# Altium PCB RK_NVR_DEMO1_RK3588_LP4XD200P232SD8_V21_20211228_final_lint.PcbDoc (part 5 of 29) (continued)
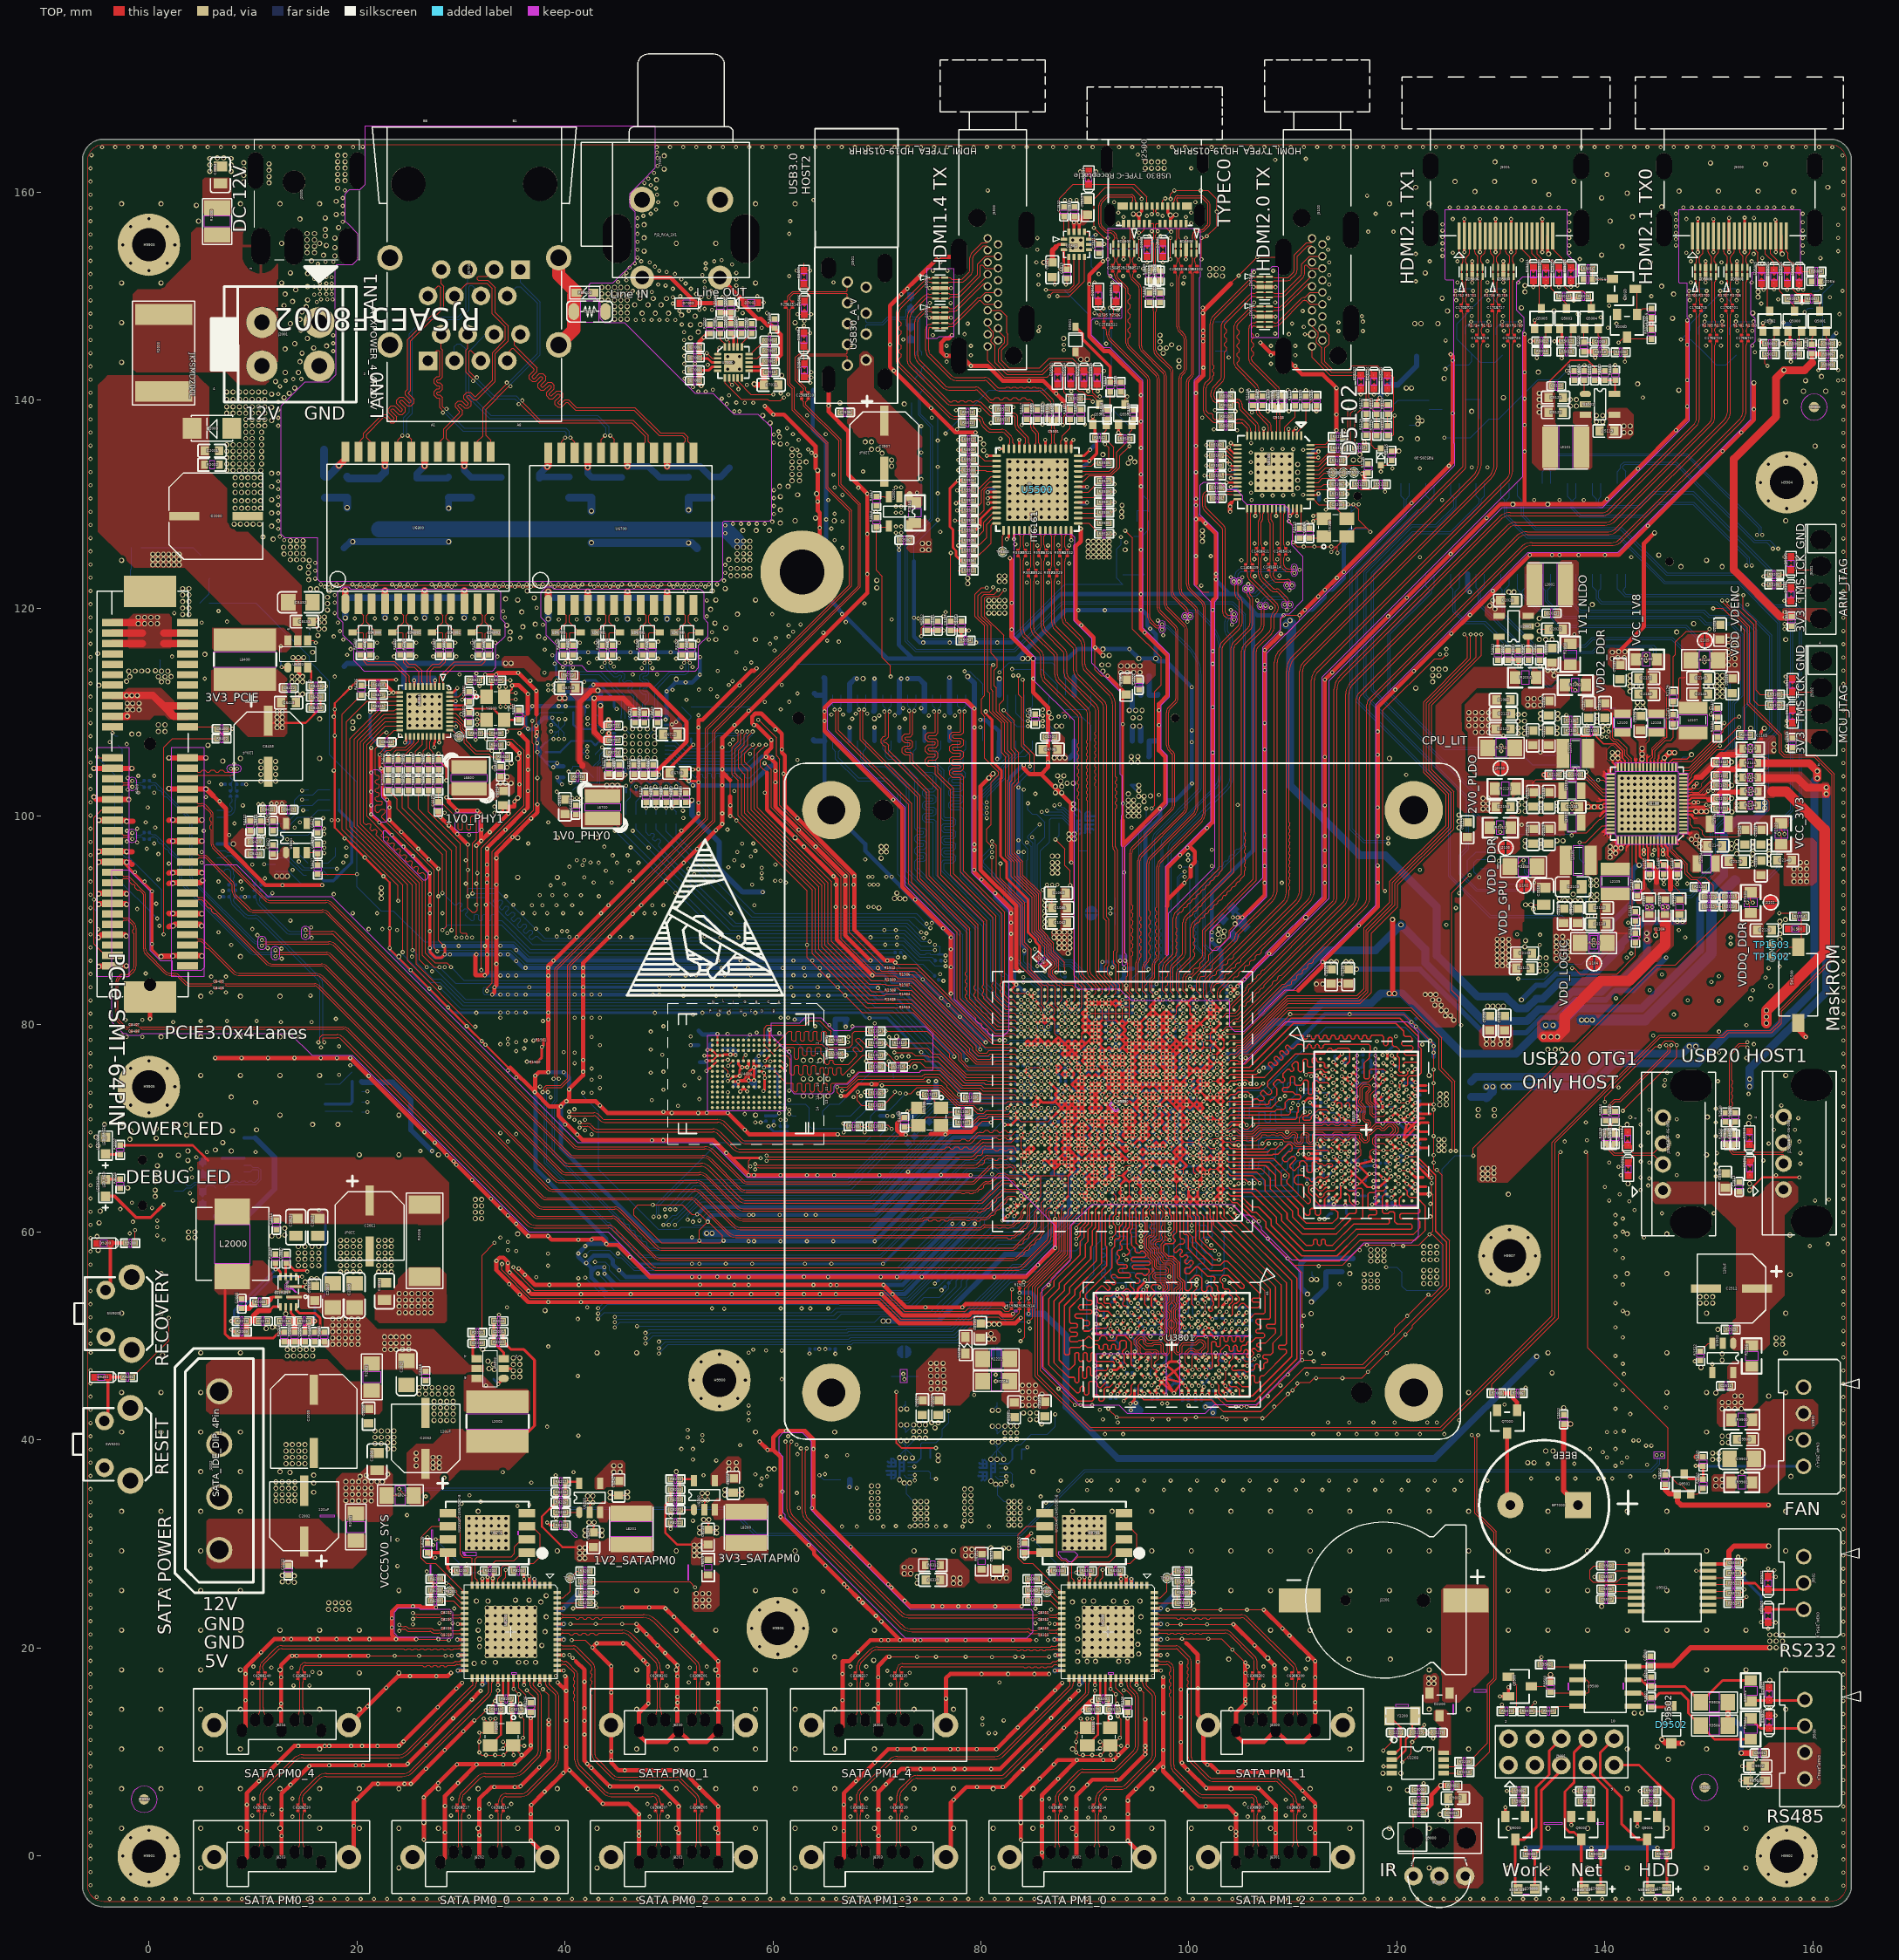
[diagram p0: TOP view]
## Footprints (in the part's own frame and the unit in brackets; to place one, negate y for a bottom-side part, rotate by r counter-clockwise, add the part's x,y. Pads: shape width x height; smd on the part's side, far side on the other; paste and mask are expansions set on the pad) (continued)
  round 2.5 hole 1.5: 3(-3.5,1.237) 4(3.5,1.237)
  silkscreen extent -3.5,-4.26 3.5,3.24, body extent -3.6,-3.34 3.6,3.34, height 3.81
TP_0R70 [mm] "TP_0R70"
  round 0.7 smd: 1(0,0)
  silkscreen extent -0.45,-0.45 0.45,0.45, body extent -0.4,-0.4 0.4,0.4, height 3.81
TSSOP8_3R10X3R10X1R10 [mm] "TSSOP8_3R10X3R10X1R10"
  oval 1x0.45 smd: 1(-2.5,0.975)
  rect 1x0.45 smd: 2(-2.5,0.325) 3(-2.5,-0.325) 4(-2.5,-0.975) 5(2.5,-0.975) 6(2.5,-0.325) 7(2.5,0.325) 8(2.5,0.975)
  silkscreen extent -2.54,-1.55 1.55,2.5
TSSOP20_6R50X4R40X1R20 [mm] "TSSOP20_6R50X4R40X1R20"
  rect 1.55x0.3 smd: 1(-2.8,2.923) 2(-2.8,2.273) 3(-2.8,1.623) 4(-2.8,0.973) 5(-2.8,0.323) 6(-2.8,-0.327) 7(-2.8,-0.977) 8(-2.8,-1.627) 9(-2.8,-2.277) 10(-2.8,-2.927) 11(2.8,-2.927) 12(2.8,-2.277) 13(2.8,-1.627) 14(2.8,-0.977) 15(2.8,-0.327) 16(2.8,0.323) 17(2.8,0.973) 18(2.8,1.623) 19(2.8,2.273) 20(2.8,2.923)
  silkscreen extent -4.48,-3.48 2.2,3.47, body extent -3.56,-3.43 3.56,3.43, height 3.81
TYPEC30_24P_SD-2012670005 [mm] "TYPEC30_24P_SD-2012670005"
  rect 0.3x0.7 smd: A1(-3,3.934) A2(-2.5,3.934) A3(-2,3.934) A4(-1.5,3.934) A5(-1,3.934) A6(-0.5,3.934) A7(0.5,3.934) A8(1,3.934) A9(1.5,3.934) A10(2,3.934) A11(2.5,3.934) A12(3,3.934) B2(2.25,2.234) B3(1.75,2.234) B4(1.25,2.234) B5(0.75,2.234) B6(0.25,2.234) B7(-0.25,2.234) B8(-0.75,2.234) B9(-1.25,2.234) B10(-1.75,2.234) B11(-2.25,2.234)
  rect 1x0.7 smd: B1(3.1,2.234) B12(-3.1,2.234)
  oval 1x2.1 hole 1 slot 2.1 at 90 deg: H1(-4.32,3.124) H2(4.32,3.124)
  oval 1.1x2.6 hole 1.1 slot 2.6 at 90 deg: H3(-4.62,-2.235) H4(4.62,-2.235)
  silkscreen extent -6.5,-9.19 6.5,5.05
USB20A4_UA04-DHF-PW137 [mm] "USB20A4_UA04-DHF-PW137"
  round 1.6 hole 0.92: 1(-3.5,1.61) 2(-1,1.61) 3(1,1.61) 4(3.5,1.61)
  oval 3x4 hole 3 slot 4 at 90 deg: 5(6.57,-1.1) 6(-6.57,-1.1)
  silkscreen extent -7.85,-3.45 7.85,4.54
USB20MIN5_USB_M5_03_002 [mil] "USB20MIN5_USB_M5_03_002"
  rect 90x20 smd: 1(112.35,62.99) 2(112.35,31.5) 3(112.35,0) 4(112.35,-31.5) 5(112.35,-62.99)
  rect 86.61x86.61 smd: 6(102.51,161.42) 7(102.51,-161.42) 8(-114.03,161.42) 9(-114.03,-161.42)
  round 35.43 hole 35.43 unplated: ""(-7.92,-86.61) ""(-7.92,86.62)
  silkscreen extent -232,-157 166,157, body extent -157,-205 157,205, height 150
USB30A9_25R70X7R32X13R85 [mm] "USB30A9_25R70X7R32X13R85"
  round 1.1 hole 0.7: 1(-3.5,-0.9) 2(-1,-0.9) 3(1,-0.9) 4(3.5,-0.9) 5(4,0.9) 6(2,0.9) 7(0,0.9) 8(-2,0.9) 9(-4,0.9)
  oval 2.5x1.2 hole 1.2 slot 2.5 at 0 deg: 10(-5.35,2.71)
  oval 2x1.4 hole 1.4 slot 2 at 0 deg: 11(-5.35,-2.71) 13(5.35,2.71)
  oval 2.7x1.4 hole 1.4 slot 2.7 at 0 deg: 12(5.35,-2.71)
  silkscreen extent -7.65,-3.96 18.75,4.04
WLCSP20_1R65X2R05X0R63 [mil] "WLCSP20_1R65X2R05X0R63"
  round 9.45 smd: A1(23.62,-31.5) A2(7.87,-31.5) A3(-7.87,-31.5) A4(-23.62,-31.5) B1(23.62,-15.75) B2(7.87,-15.75) B3(-7.87,-15.75) B4(-23.62,-15.75) C1(23.62,0) C2(7.87,0) C3(-7.87,0) C4(-23.62,0) D1(23.62,15.75) D2(7.87,15.75) D3(-7.87,15.75) D4(-23.62,15.75) E1(23.62,31.5) E2(7.87,31.5) E3(-7.87,31.5) E4(-23.62,31.5)
  TOP keep-out region: 35,-42.32 35,42.32 -35,42.32 -35,-42.32
  silkscreen extent -52,-61 53,60
WSON8_8R00X6R00X0R80_T [mil] "WSON8_8R00X6R00X0R80_T"
  rect 31.5x62.99 smd: 1(-75,-149.61) 2(-25,-149.61) 3(25,-149.61) 4(75,-149.61) 5(75,149.61) 6(25,149.61) 7(-25,149.61) 8(-75,149.61)
  rect 133.86x169.29 smd: 9(0,0)
  silkscreen extent -118,-220 118,157, body extent -122,-161 122,161, height 150

## Part data
BP7000: library part BEEP_0, "ОЮФґ·дГщЖч,3V,Ц±Іе2P,6.5MMјдѕа,"
C1000 C1003 C1018 C1019 C1032 C1033 C1034 C1035 C1045 C1046 C1060 C1061 C1062 C1063 C1064 C1080 C1081 C1082 C1085 C1086 C2022 C2100 C2102 C2106 C2111 C2115 C2116 C2120 C2121 C2122 C2123 C2128 C2129 C2133 C2134 C2135 C2136 C2141 C2144 C2145 C2146 C2150 C2152 C2173 C2205 C2206 C2207 C2208 C2209 C2211 C2212 C2213 C2214 C2215 C2223 C2224 C2225 C2230 C3809 C3824 C3854 C3869 C5121 C5521 C8226 C8244 C8324 C8339 C8411 C8413: library part "CAP NP", "cap,22.00uF,+/-20%,6.3V,X5R,C0603"
C1001 C1002 C1010 C1022 C1024 C1025 C1040 C1041 C1049 C1050 C1054 C1069 C1070 C1073 C1083 C1100 C1104 C1106 C1107 C1109 C1110 C1112 C1113 C1203 C1204 C1205 C1210 C1211 C1212 C1223 C1225 C1229 C1231 C1301 C1302 C1404 C1406 C1408 C1409 C1410 C1411 C1412 C1413 C1414 C1415 C1416 C1418 C1419 C1421 C1422 C1503 C1504 C1505 C1506 C1601 C1603 C1606 C1608 C1610 C1714 C1724 C1730 C1808 C1810 C1814 C1901 C1902 C1903 C1905 C2501 C2502 C2509 C2510 C2522 C2523 C2524 C2525 C3802 C3803 C3804 C3805 C3806 C3807 C3808 C3814 C3815 C3816 C3817 C3818 C3819 C3820 C3821 C3822 C3823 C3829 C3830 C3831 C3832 C3833 C3834 C3835 C3836 C3837 C3838 C3839 C3840 C3841 C3842 C3847 C3848 C3849 C3850 C3851 C3852 C3853 C3859 C3860 C3861 C3862 C3863 C3864 C3865 C3866 C3867 C3868 C3874 C3875 C3876 C3877 C3878 C3879 C3880 C3881 C3882 C3883 C3884 C3885 C3886 C3887: library part "CAP NP", "cap,100.00nF,+/-10%,10V,X5R,C0201"
C1004 C1005 C1016 C1017 C1030 C1031 C1036 C1037 C1043 C1047 C1058 C1059 C1065 C1200 C1207 C1220 C1226 C1801: library part "CAP NP", "cap,10.00uF,+/-20%,4V,X5R,C0402"
C1006 C1013 C1014 C1020 C1023 C1027 C1028 C1039 C1042 C1048 C1051 C1052 C1066 C1071 C1072 C1103 C1105 C1111 C1201 C1202 C1206 C1208 C1209 C1213 C1214 C1215 C1216 C1217 C1218 C1219 C1224 C1228 C1405 C1407 C1417 C1420 C1423 C1600 C1602 C1604 C1607 C1609 C1611 C1711 C1713 C1725 C1727 C1729 C1804 C1806 C1812 C1816: library part "CAP NP", "cap,1.00uF,+/-20%,6.3V,X5R,C0201"
C1007 C1015 C1029 C1038 C1057 C1221 C1227 C1709 C1715 C1731 C1803 C1805 C1807 C1813 C1815 C1819 C5139 C8422 C8425: library part "CAP NP", "cap,4.70uF,+/-10%,6.3V,X5R,C0402"
C1101 C1102 C5104 C5105 C6700 C6701 C6800 C6801 C8211 C8213 C8311 C8313 C8419 C8420: library part "CAP NP", "cap,18.00pF,+/-5%,50V,C0G,C0402"
C1232 C2024 C2107 C2117 C2130 C2140 C2142 C2149 C2151 C2153 C2154 C3801 C3811 C3846 C3856 C5513 C8227 C8232 C8245 C8250 C8325 C8330 C8340 C8345 C8415 C8436 C9002: library part "CAP NP", "cap,10.00uF,+/-10%,6.3V,X5R,C0603"
C1300 C2155 C2156 C2157 C2158 C2159 C2160 C2163 C2167 C2171 C3812 C3813 C3827 C3828 C3857 C3858 C3872 C3873 C4301 C5110 C5115 C5130 C5132 C5135 C5137 C5141 C6710 C6809 C7006 C7008: library part "CAP NP", "cap,1.00uF,+/-10%,6.3V,X5R,C0402"
C1500 C1501 C1502 C3844 C3888: library part "CAP NP", "cap,1.00nF,+/-10%,25V,X5R,C0201"
C1700 C1701 C1702 C1703 C1704 C1705 C1706 C1707 C1716 C1717 C1718 C1719 C1720 C1721 C1722 C1723 C8401 C8402 C8403 C8404 C8405 C8406 C8407 C8408: library part "CAP NP", "cap,220.00nF,+/-10%,10V,X5R,C0201"
C1710 C1726 C4004 C4007 C6709 C6712 C6715 C6719 C6808 C6811 C6814 C6818 C7011: library part "CAP NP", "cap,4.70uF,+/-10%,10V,X5R,C0603"
C2000 C2005: library part CAP, "100uF,25V,24mR,SVPF"
C2001 C2006 C2010 C2505 C2516 C4703 C8433 C9502 C9900: library part "CAP NP", "cap,100.00nF,+/-10%,50V,X5R,C0603"
C2002 C2011 C2032 C2507 C2512 C8435: library part CAP, "120uF,20V,25mR,SVPF"
C2003 C2014 C2017 C2023 C2034 C2228 C2508 C2513 C2518 C4000 C4001 C4002 C4003 C4005 C4006 C4009 C4300 C4701 C4705 C4707 C5100 C5101 C5106 C5108 C5111 C5112 C5113 C5114 C5116 C5117 C5118 C5123 C5124 C5125 C5126 C5128 C5129 C5131 C5133 C5134 C5136 C5138 C5140 C5142 C5500 C5504 C5506 C5507 C5509 C5511 C5512 C5514 C5517 C5519 C5523 C5524 C5525 C5526 C5527 C5529 C5530 C5531 C5533 C6711 C6713 C6714 C6716 C6717 C6718 C6720 C6721 C6722 C6723 C6810 C6812 C6813 C6815 C6816 C6817 C6819 C6820 C6821 C6822 C7007 C7009 C7010 C7012 C8204 C8209 C8228 C8229 C8230 C8231 C8233 C8234 C8235 C8236 C8237 C8246 C8247 C8248 C8249 C8251 C8252 C8253 C8254 C8255 C8304 C8308 C8326 C8327 C8328 C8329 C8331 C8332 C8333 C8334 C8341 C8342 C8343 C8344 C8346 C8347 C8348 C8349 C8400 C8412 C8414 C8416 C8418 C8424 C8426 C8437 C9001 C9101 C9103 C9104 C9105 C9106 C9500 C9503 C9504 C9505 C9506 C9507: library part "CAP NP", "cap,100.00nF,+/-10%,10V,X5R,C0402"
C2004: library part "CAP NP", "cap,2.20uF,+/-10%,25V,X5R,C0805"
C2007 C2009 C2027 C8409 C8429 C8431 C8432 C9901: library part "CAP NP", "cap,10.00uF,+/-10%,25V,X5R,C1206"
C2008: library part "CAP NP", "cap,220.00nF,+/-10%,25V,X5R,C0402"
C2012 C2013 C2015 C2033 C2035 C2105 C2114 C2127 C2139 C2200 C2201 C2202 C2203 C2218 C2219: library part "CAP NP", "cap,22.00uF,+/-10%,10V,X5R,C0805"
C2019 C2108 C2118 C2119 C2131 C2132 C2143 C2161 C2162 C2204 C2210 C2220 C2503 C2506 C2511 C2519 C5000 C5001 C5102 C5502 C7000 C7001 C7002 C7003 C7004 C7005 C8417 C8421 C8423 C9100: library part "CAP NP", "cap,1.00uF,+/-10%,10V,X5R,C0402"
C2020 C2103 C2104 C2126 C2138 C2147 C2148 C2515 C2517 C3800 C3810 C3825 C3826 C3843 C3845 C3855 C3870 C3871 C4700 C4704 C4706 C5107 C5109 C5119 C5122 C5127 C5503 C5505 C5520 C5522 C8224 C8242 C9102: library part "CAP NP", "cap,10.00uF,+/-10%,10V,X5R,C0603"
C2021 C2101 C2137 C5003 C5005 C5120 C5515 C8225 C8243: library part "CAP NP", "cap,100.00pF,+/-10%,50V,C0G,C0402"
C2025 C2028 C2029 C2030 C8410 C8428 C8430: library part "CAP NP", "cap,100.00nF,+/-10%,25V,X5R,C0402"
C2026 C2229 C6706 C6724 C6806 C6823 C8427: library part "CAP NP", "Did Not Place."
C2031 C8434: library part "CAP NP", "cap,22.00pF,+/-5%,50V,C0G,C0402"
C2109 C2110 C2221 C2222: library part "CAP NP", "cap,47.00uF,+/-20%,6.3V,X5R,C0805"
C2164 C2168 C2169 C2170 C2172: library part "CAP NP", "cap,2.20uF,+/-10%,6.3V,X5R,C0402"
C2165: library part "CAP NP", "cap,1.00nF,+/-5%,25V,C0G,C0402"
C2166 C6702 C6703 C6704 C6705 C6802 C6803 C6804 C6805: library part "CAP NP", "cap,10.00nF,+/-10%,25V,X5R,C0402"
C2227: library part "CAP NP", "cap,12.00pF,+/-5%,50V,C0G,C0402"
C2504 C2528: library part "CAP NP", "cap,22.00uF,+/-20%,25V,X5R,C1206"
C2520 C2521: library part "CAP NP", "cap,220.00pF,+/-10%,50V,C0G,C0402"
C2526 C4702: library part "CAP NP", "cap,10.00uF,+/-10%,25V,X5R,C0805"
C4008 C5508 C5510 C5516 C5518 C5528 C5532: library part "CAP NP", "cap,2.20uF,+/-10%,10V,X5R,C0402"
C4010: library part "CAP NP", "cap,10.00pF,+/-0.5,50V,C0G,C0402"
C5103 C5501: library part "CAP NP", "cap,0.50pF,+/-0.25,50V,C0G,C0201"
C6707 C6708 C6807: library part "CAP NP", "ёЯС№µзИЭ,1000pF/2KV,C1206"
C6726 C6826: library part "CAP NP", "cap,3.00pF,+/-0.25,50V,C0G,C0402"
C8200 C8201 C8202 C8203 C8205 C8206 C8207 C8208 C8210 C8212 C8214 C8215 C8216 C8217 C8218 C8219 C8220 C8221 C8222 C8223 C8238 C8239 C8240 C8241 C8300 C8301 C8302 C8303 C8305 C8306 C8307 C8309 C8310 C8312 C8314 C8315 C8316 C8317 C8318 C8319 C8320 C8321 C8322 C8323 C8335 C8336 C8337 C8338: library part "CAP NP", "cap,10.00nF,+/-10%,10V,X5R,C0201"
C9000: library part "CAP NP", "cap,1.00nF,+/-10%,50V,X5R,C0402"
C9501: library part "CAP NP", "cap,4.70nF,+/-10%,50V,X5R,C0402"
D1500 D7000 D7001 D9200 D9201 ED9500 ED9501 ED9502 ED9503: library part "DIODE BI_DIR TRIG", "1-Line, Bi-directional, Transient Voltage Suppressors.17.5pF."
D2000: library part DIODE, "Schottky BarrierЈ¬SS32 DO214AC"
D2200: library part "DIODE Double", "Dual Schottky barrierЈ¬BAT54C SOT-23 Schottky Barrier"
D2504 D2505 D2510 D2511 D2512 D2513 D2514 D2515 D2516 D2517 D2518 D2519 D9100 D9101 D9102 D9103 D9104 D9105 ED5002 ED5003 ED5004 ED5005 ED5008 ED5009 ED5010 ED5011 ED5102 ED5103 ED5104 ED5502 ED5503 ED5504 ED5505: library part "DIODE BI_DIR TRIG", "1-Line, Bi-directional, Transient Voltage Suppressors.1pF."
D2506 D2507 D2508 D2509: library part "DIODE BI_DIR TRIG", "1-Line, Bi-directional, Transient Voltage Suppressors.0.25pF."
D5000 D5003 D5101 D5501: library part DIODE, "Schottky BarrierЈ¬B5819WS SOD-323"
D5002 D5005 D5100 D5500 D9502: library part DIODE, "Schottky BarrierЈ¬B5819W SOD-123"
D5102: library part DIODE, "Schottky barrier Diode"
D6700 D6701 D6702 D6703 D6800 D6801 D6802 D6803: library part BA301N_3
D6704 D6705 D6706 D6707 D6804 D6805 D6806 D6807: library part BA301N_1
ED2100: library part "DIODE BI_DIR TRIG", "Transient Voltage Suppressing Device.Tiny Packge for ESD/Transient Protection"
ED2500 ED2501 ED5000 ED5001 ED5006 ED5007 ED5100 ED5101 ED5500 ED5501: library part ESD_ESD5304D, "4-Lines, Uni-directional, Ultra-low Capacitance Transient Voltage Suppressors"
ED6700 ED6701 ED6702 ED6703 ED6800 ED6801 ED6802 ED6803: library part "DIODE BI_DIR TRIG", "Transient Voltage Suppressor,0.8pF"
F2000: library part FUSE, "±ЈПХЛїЈ¬Vmax=16V,Imax=100AЈ¬Icurrent=8A,Ri=0.028ohm"
FB2201 FB5100 FB5101 FB5102 FB5103 FB5500 FB5501 FB5502 FB5503 FB5504 FB5505 FB6700 FB9500: library part BEAD, "BEAD,120R@100MHz,current=2000mA,0603"
H9900 H9901 H9902 H9903 H9904 H9905 H9906 H9907: library part Hole, "Ц±ѕ¶3.2mmВЭЛїїЧ,ОЮН­Цщ"
IR9000: library part IRM_0, "ємНвЅУКХН·"
J2000: library part DCJACK_3P, "DCЧщ"
J2001: library part CON4_8
J2002: library part SATA_IDE_DIP_0
J2100 J2101 J2102 J2103 J2104 J2105 J2200 J2202 J2203: library part JM_0
J2201: library part CON_BATTERY-20MM
J2500: library part "USB30_TYPE-C Receptacle_0", "USB Type-CОФКЅДёЧщЈ¬Мщєё"
J2501: library part USB30_TYPE_A_V_2, "USB3.0 AРНЈ¬ІаІеЈ¬ДёЧщЈ¬Іеєё"
J2502 J2503: library part USB20_TYPE_A, "USB2.0 AРНБўКЅЦ±ІеНдЅЕДёЧщЈ¬Іеєё"
J5000 J5001 J5100 J5500: library part HDMI_TYPE_A_0
J6700: library part RJSAE5F8002
J7000: library part JP_AV1-8_1.4-5G
J8200 J8201 J8202 J8203 J8204 J8300 J8301 J8302 J8303 J8304: library part SATA_DIP_0
J8400: library part PCIeX4_1
J9000 J9501: library part CON3_1X3, "µҐЕЕ3PINЈЁјдѕа2.54mmЈ©І»ґш·А»¤ЗЅµДІеХл"
J9001: library part CON20_0, "Л«ЕЕ10PINЈЁјдѕа2.54mmЈ©І»ґш·А»¤ЗЅµДІеХл,БўКЅЈ¬№«Чщ"
J9100: library part USB20_MINI, "USB2.0 MiniРНОФКЅІаІеДёЧщЈ¬Мщєё"
J9101 J9102: library part "HEADER 4_0"
J9500 U9900: library part CON4_0
J9800: library part PowerMeasurement_6
J9901: library part Radiator_Fan_2
L2000: library part "INDUCTORS OF FERRITE_Dup1", "Power Inductor,1.5uH,MWSA0603S-1R5MT"
L2001 L5101 L5501 L8200 L8201: library part "INDUCTORS OF FERRITE_Dup1", "Power Inductor,2.2uH,0.2,IND_404026"
L2002: library part "INDUCTORS OF FERRITE_Dup1", "Power Inductor,6.8uH,0.031,IND_606045"
L2100 L2102 L2104 L2106 L2108 L2109: library part "INDUCTORS OF FERRITE", "Power Inductor,0.47uH,20%,IND_201610"
L2101 L2103 L2105 L2107: library part "INDUCTORS OF FERRITE", "Power Inductor,0.22uH,20%,IND_322512"
L2200 L2201 L2202: library part "INDUCTORS OF FERRITE_Dup1", "Power Inductor,0.22uH,20%,IND_322512"
L2500 L2501 L2502 L2503 L5100 L5500: library part "INDUCTOR COM", "Winding Type Common Mode Choke Coil"
L6700 L6800: library part "INDUCTORS OF FERRITE_Dup1", "Power Inductor,2.2uH,0.3,IND_303015"
L8400: library part "INDUCTORS OF FERRITE_Dup1", "Power Inductor,4.7uH,0.2,IND_606045"
LED2000 LED9001 LED9002: library part LED, "МщЖ¬LEDµЖЈ¬0603Ј¬ВМЙ«"
LED9000: library part LED, "МщЖ¬LEDµЖЈ¬0603Ј¬А¶Й«"
LED9100: library part LED, "МщЖ¬LEDµЖЈ¬0603Ј¬ємЙ«"
M9900 M9901 M9902 M9903 M9904 M9905: library part MARK, "MARK Symble"
Q1700 Q1701 Q1702 Q1703 Q1704 Q1705 Q1706 Q1707: library part "MOSFET N", "NMOS,WNM6002-3/TR,SOT_323,Id=0.3A,Vds=60V"
Q5000 Q5001 Q5002 Q5003 Q5004 Q5005 Q5501 Q5502 Q9501: library part "MOSFET N", "NMOS,2SK3018,SOT_323,Id=0.1A,Vds=30V"
Q5006 Q5007 Q5008 Q5009 Q5101 Q5503 Q7000 Q8401 Q9000 Q9001 Q9002 Q9500: library part NPN, "S8050,SOT23"
Q5100 Q5500: library part "MOSFET P", "PMOS,WPM2015-3/TR,SOT_23,Id=2.4A,Vds=20V"
Q8400: library part "MOSFET P", "PMOS,WPM3407-3/TR,SOT_23,Id=4.4A,Vds=30V"
R1100 R1104 R1105 R1106 R1107 R5003 R5008 R5011 R5015 R5020 R5023 R5102 R5107 R5112 R5124 R5127 R5528 R5544 R5550 R6737 R6738 R6739 R6740 R6741 R6742 R6837 R6838 R6839 R6840 R6841 R6842 R8400 R8401 R8402 R8403 R8414 R9001 R9002 R9104 R9105 R9106 R9107 R9108 R9109 R9502 R9507 R9511 R9512 R9513 R9514: library part RESISTOR_Dup1, "НЁУГєсД¤µзЧи,22R,+/-5%,R0402,1/16W."
R1101 R2004: library part RESISTOR_Dup1, "НЁУГєсД¤µзЧи,510K,+/-5%,R0402,1/16W."
R1102 R1504 R1505 R1506 R1507 R1508 R1509 R1511 R1512 R1513 R1900 R1901 R1902 R1903 R1904 R1905 R1906 R1907 R1908 R1909 R1910 R1911 R1912 R2502 R2503 R2512 R2514 R2537 R2538 R5520 R5521 R5523 R5524 R5525 R5526 R5527 R5529 R5530 R5532: library part RESISTOR_Dup1, "НЁУГєсД¤µзЧи,0R,+/-5%,R0201,1/20W."
R1103 R1108 R1205 R1305 R1306 R1308 R1309 R1310 R1311 R1312 R1313 R1314 R1315 R1316 R1922 R2123 R2209 R2210 R2506 R2509 R2518 R2521 R2522 R2525 R2527 R2531 R4003 R4734 R4735 R4736 R5010 R5022 R5115 R5120 R5122 R5138 R5500 R5501 R5502 R5503 R5540 R6700 R6701 R6702 R6703 R6704 R6705 R6706 R6707 R6708 R6709 R6730 R6733 R6736 R6800 R6801 R6802 R6803 R6804 R6805 R6806 R6807 R6808 R6809 R6830 R6833 R6836 R8201 R8209 R8301 R8310 R9100 R9101 R9102: library part RESISTOR_Dup1, "НЁУГєсД¤µзЧи,0R,+/-5%,R0402,1/16W."
R1109 R1113 R2008 R2009 R2019 R2020 R2136 R2140 R2204 R5121 R5126 R5504 R5506 R5508 R5510 R5534 R5535 R5536 R5537 R5539 R5541 R5545 R8200 R8300 R8427 R8428: library part RESISTOR_Dup1, "НЁУГєсД¤µзЧи,100K,+/-5%,R0402,1/16W."
R1110 R1114 R2205: library part RESISTOR_Dup1, "НЁУГєсД¤µзЧи,120K,+/-5%,R0402,1/16W."
R1111 R1112 R1115 R1116 R1117 R1118 R1500 R1501 R1913 R1914 R1915 R1916: library part RESISTOR_Dup1, "НЁУГєсД¤µзЧи,2K2,+/-5%,R0201,1/20W."
R1200 R1201 R1202 R1203 R3809 R3810 R3818 R3819: library part RESISTOR_Dup1, "НЁУГєсД¤µзЧи,240R,+/-1%,R0201,1/20W."
R1204 R2141 R3800 R3803 R8211 R8311 R8312: library part RESISTOR_Dup1, "НЁУГєсД¤µзЧи,0R,+/-5%,R0603,1/10W."
R1300 R1301 R1302 R1303 R1304 R1307: library part RESISTOR_Dup1, "НЁУГєсД¤µзЧи,0R,+/-1%,R0402,1/16W."
R1400 R1402 R1403 R1404 R1800 R1801: library part RESISTOR_Dup1, "НЁУГєсД¤µзЧи,200R,+/-1%,R0201,1/20W."
R1401 R1405 R1708 R1717: library part RESISTOR_Dup1, "НЁУГєсД¤µзЧи,8K2,+/-1%,R0201,1/20W."
R1502: library part RESISTOR_Dup1, "НЁУГєсД¤µзЧи,10K,+/-1%,R0402,1/16W."
R1503 R2012 R5132 R5553 R5554 R8216 R8217: library part RESISTOR_Dup1, "НЁУГєсД¤µзЧи,100K,+/-1%,R0402,1/16W."
R1510 R2015 R2016 R2501 R2510 R2516 R8431: library part RESISTOR_Dup1, "Did Not Place."
R1514 R2104 R2113 R2114 R2124 R2129 R2202 R2203 R2207 R6714 R6814 R9200 R9201: library part RESISTOR_Dup1, "НЁУГєсД¤µзЧи,100R,+/-5%,R0402,1/16W."
R1700 R1701 R1702 R1703 R1704 R1705 R1706 R1707 R1709 R1710 R1711 R1712 R1713 R1714 R1715 R1716: library part RESISTOR_Dup1, "НЁУГєсД¤µзЧи,499R,+/-1%,R0201,1/20W."
R1917 R1918: library part RESISTOR_Dup1, "НЁУГєсД¤µзЧи,22R,+/-5%,R0201,1/20W."
R2000: library part RESISTOR_Dup1, "НЁУГєсД¤µзЧи,2R,+/-5%,R1210,1/2W."
R2001 R2003 R2220 R2221 R2539: library part RESISTOR_Dup1, "НЁУГєсД¤µзЧи,0R,+/-5%,R1206,1/4W."
R2002: library part RESISTOR_Dup1, "НЁУГєсД¤µзЧи,10K,+/-5%,R0603,1/10W."
R2005: library part RESISTOR_Dup1, "НЁУГєсД¤µзЧи,3R3,+/-5%,R0402,1/16W."
R2006: library part RESISTOR_Dup1, "єсД¤µНЧиЦµµзЧи,0R01,+/-1%,R2512,1W."
R2007 R9103: library part RESISTOR_Dup1, "НЁУГєсД¤µзЧи,2K2,+/-5%,R0402,1/16W."
R2010 R2014 R2131 R2513 R2526 R3808 R3811 R9503 R9504 R9900 R9901: library part RESISTOR_Dup1, "НЁУГєсД¤µзЧи,0R,+/-5%,R0805,1/8W."
R2011 R2021 R2505 R2515 R2529 R4000 R4001 R4002 R4300 R4301 R5000 R5002 R5006 R5012 R5014 R5018 R5101 R5116 R5117 R5118 R5119 R5128 R5129 R5131 R5136 R5139 R5511 R5513 R5542 R5546 R5547 R5549 R5552 R5556 R7000 R7001 R7002 R7003 R7004 R7005 R8203 R8204 R8205 R8212 R8215 R8303 R8304 R8305 R8408 R8409 R8410 R8411 R8412 R8413 R8417 R8429 R8432 R8434 R9000 R9006 R9007 R9008 R9500 R9509 R9904 R9905: library part RESISTOR_Dup1, "НЁУГєсД¤µзЧи,10K,+/-5%,R0402,1/16W."
R2013: library part RESISTOR_Dup1, "НЁУГєсД¤µзЧи,120K,+/-1%,R0402,1/16W."
R2017: library part RESISTOR_Dup1, "НЁУГєсД¤µзЧи,43K,+/-1%,R0402,1/16W."
R2018: library part RESISTOR_Dup1, "НЁУГєсД¤µзЧи,7K5,+/-1%,R0402,1/16W."
R2022 R8430: library part RESISTOR_Dup1, "НЁУГєсД¤µзЧи,232K,+/-1%,R0402,1/16W."
R2023: library part RESISTOR_Dup1, "НЁУГєсД¤µзЧи,30K,+/-1%,R0402,1/16W."
R2024: library part RESISTOR_Dup1, "єсД¤µНЧиЦµµзЧи,0R01,+/-1%,R1206,1/2W."
R2100 R2112 R2122 R2128: library part RESISTOR_Dup1, "µзБчјмІвµзЧи,0R01,+/-1%,R1206,1/2W,T.R.C.=ЎА75 ppm/ЎгC"
R2101 R2126: library part RESISTOR, "НЁУГєсД¤µзЧи,100K,+/-1%,R0402,1/16W."
R2102 R2121 R2127 R2130: library part RESISTOR_Dup1, "єсД¤µНЧиЦµµзЧи,0R02,+/-1%,R0805,1/4W."
R2103: library part RESISTOR, "НЁУГєсД¤µзЧи,120K,+/-1%,R0402,1/16W."
R2111: library part RESISTOR_Dup1, "єсД¤µНЧиЦµµзЧи,0R01,+/-1%,R0805,1/4W."
R2125: library part RESISTOR, "НЁУГєсД¤µзЧи,20K,+/-1%,R0402,1/16W."
R2132 R2135 R2142 R2143: library part RESISTOR_Dup1, "єсД¤µНЧиЦµµзЧи,0R02,+/-1%,R0603,1/10W."
R2133 R2139 R2144: library part RESISTOR_Dup1, "єсД¤µНЧиЦµµзЧи,0R05,+/-1%,R0603,1/10W."
R2134 R2150: library part RESISTOR, "НЁУГєсД¤µзЧи,100K,+/-5%,R0402,1/16W."
R2137 R2138: library part RESISTOR, "НЁУГєсД¤µзЧи,10K,+/-5%,R0402,1/16W."
R2200 R2201 R2206: library part RESISTOR_Dup1, "єсД¤µНЧиЦµµзЧи,0R01,+/-1%,R1210,1/2W."
R2500 R2511 R2517 R2532 R5507 R5509 R6716 R6717 R6718 R6719 R6720 R6722 R6723 R6724 R6725 R6726 R6727 R6728 R6729 R6731 R6732 R6734 R6816 R6817 R6818 R6819 R6820 R6822 R6823 R6824 R6825 R6826 R6827 R6828 R6829 R6831 R6832 R6834 R8202 R8208 R8210 R8302 R8308 R8309 R8420: library part RESISTOR_Dup1, "НЁУГєсД¤µзЧи,4K7,+/-5%,R0402,1/16W."
R2507 R2508 R2519 R2520 R2523 R2524 R2528 R2530 R5103 R5104 R5105 R5106 R5108 R5109 R5110 R5111 R5512 R5514 R5515 R5516 R5517 R5518 R5519 R5522 R8422: library part RESISTOR_Dup1, "НЁУГєсД¤µзЧи,2R2,+/-5%,R0402,1/16W."
R2533 R2534: library part RESISTOR_Dup1, "НЁУГєсД¤µзЧи,100K,+/-5%,R0201,1/20W."
R2535 R2536: library part RESISTOR_Dup1, "НЁУГєсД¤µзЧи,2M,+/-5%,R0201,1/20W."
R3801 R3802 R3804 R3805 R3812 R3813 R3814 R3815 R8406 R8407 R8418 R8419 R8425 R8426: library part RESISTOR_Dup1, "НЁУГєсД¤µзЧи,49R9,+/-1%,R0201,1/20W."
R3806 R3807 R3816 R3817: library part RESISTOR_Dup1, "НЁУГєсД¤µзЧи,10K,+/-5%,R0201,1/20W."
R4004 R5005 R5017 R5027 R5028 R5114 R5533: library part RESISTOR_Dup1, "НЁУГєсД¤µзЧи,47K,+/-5%,R0402,1/16W."
R5001 R5007 R5013 R5019 R5123 R5125 R5543 R5548 R6735 R6835: library part RESISTOR_Dup1, "НЁУГєсД¤µзЧи,1K8,+/-5%,R0402,1/16W."
R5004 R5016 R5137: library part RESISTOR_Dup1, "НЁУГєсД¤µзЧи,1K2,+/-5%,R0402,1/16W."
R5009 R5021: library part RESISTOR_Dup1, "НЁУГєсД¤µзЧи,27K,+/-5%,R0402,1/16W."
R5025 R5026 R9003 R9004 R9005 R9902: library part RESISTOR_Dup1, "НЁУГєсД¤µзЧи,1K,+/-5%,R0402,1/16W."
R5100: library part RESISTOR_Dup1, "НЁУГєсД¤µзЧи,12K,+/-5%,R0402,1/16W."
R5113: library part RESISTOR_Dup1, "НЁУГєсД¤µзЧи,10K5,+/-1%,R0402,1/16W."
R5130 R5551 R7006 R8435 R9009 R9010 R9011 R9510: library part RESISTOR_Dup1, "НЁУГєсД¤µзЧи,51K,+/-5%,R0402,1/16W."
R5133: library part RESISTOR_Dup1, "НЁУГєсД¤µзЧи,150K,+/-1%,R0402,1/16W."
R5135: library part RESISTOR_Dup1, "НЁУГєсД¤µзЧи,470K,+/-5%,R0402,1/16W."
R5531: library part RESISTOR_Dup1, "НЁУГєсД¤µзЧи,5K6,+/-1%,R0402,1/16W."
R5538: library part RESISTOR_Dup1, "НЁУГєсД¤µзЧи,33R,+/-5%,R0402,1/16W."
R6710 R6711 R6712 R6713 R6810 R6811 R6812 R6813: library part RESISTOR_Dup1, "НЁУГєсД¤µзЧи,75R,+/-5%,R0805,1/8W."
R6715 R6815: library part RESISTOR_Dup1, "НЁУГєсД¤µзЧи,120R,+/-5%,R0402,1/16W."
R6721 R6821: library part RESISTOR_Dup1, "НЁУГєсД¤µзЧи,2K49,+/-1%,R0402,1/16W."
R8206 R8306: library part RESISTOR_Dup1, "НЁУГєсД¤µзЧи,12K,+/-1%,R0402,1/16W."
R8207 R8307: library part RESISTOR_Dup1, "НЁУГєсД¤µзЧи,1M,+/-5%,R0402,1/16W."
R8213: library part RESISTOR_Dup1, "НЁУГєсД¤µзЧи,150K,+/-5%,R0402,1/16W."
R8214: library part RESISTOR_Dup1, "НЁУГєсД¤µзЧи,33K,+/-1%,R0402,1/16W."
R8404 R8405 R8415 R8416 R8423 R8424: library part RESISTOR_Dup1, "НЁУГєсД¤µзЧи,33R,+/-5%,R0201,1/20W."
R8421: library part RESISTOR_Dup1, "НЁУГєсД¤µзЧи,470R,+/-1%,R0402,1/16W."
R8433: library part RESISTOR_Dup1, "НЁУГєсД¤µзЧи,49K9,+/-1%,R0402,1/16W."
R9300: library part RESISTOR_Dup1, "НЁУГєсД¤µзЧи,10K,+/-1%,R0201,1/20W."
R9301: library part RESISTOR_Dup1, "НЁУГєсД¤µзЧи,110K,+/-1%,R0402,1/16W."
R9501 R9508: library part RESISTOR_Dup1, "НЁУГєсД¤µзЧи,3K3,+/-5%,R0402,1/16W."
R9505 R9506: library part RESISTOR_Dup1, "НЁУГєсД¤µзЧи,60R4,+/-1%,R1206,1/4W."
SMTSO9900: library part SMTSO, "єёЅУВЭДёM3,ёЯ¶И5mmЈ»"
SW1500: library part KEY_2PIN, "2ЅЕМщЖ¬Ј¬6MMx3.7MM°ґјь"
SW9200 SW9201: library part KEY_4PIN, "4ЅЕЈ¬Іа±ЯЈ¬ІејюЈ¬6.5MMx7.1MM°ґјь"
TP1300 TP1301 TP1302 TP1303 TP1500 TP1501 TP1502 TP1503 TP5100 TP5101 TP5102 TP5500 TP6700 TP6800 TP8200 TP8201 TP8300 TP8301: library part TP, "Test Point 0.7mm"
U1000: library part SOC_RK3588, "ROCKCHIP SOC"
U2000: library part MP8759_6
U2001 U5101 U5501 U8202 U8203: library part DCDC_SY8088, "High Efficiency 5.5V, 2A continuous, 3A peak, 1MHz Synchronous Step Down Regulator"
U2002 U8402: library part DCDC_SY8113
U2100: library part PMIC_RK806, "ROCKCHIP PMIC RK806-1"
U2200 U2202: library part DCDC_RK860, "I2C-ADDR 42HЈ»Vout 0.5-1.5VЈ»Default Vout 0.8VЈ»Step 6.25mVЈ»Die_ID 0XA;"
U2201: library part DCDC_RK860, "I2C-ADDR 43HЈ»Vout 0.5-1.5VЈ»Default Vout 0.8VЈ»Step 6.25mVЈ»Die_ID 0XA;"
U2203: library part RTC_HYM8563, "I2C Real Time Clock/Calendar"
U2500 U2501 U2502: library part SWITCH_SY6280, "Low Loss Power Distribution Switch"
U2503: library part USB_FUSB302B, "Programmable USB Type-C Controller w/PD"
U3800 U3801: library part LPDDR4_200P
U4000: library part INAND_EMMC_153_2L, "EMMC_B153_2L,ёьєГµДВъЧг№¤ТХРиЗуЈ¬Fanout·ЅКЅІї·ЦЧЯПЯїзЅУФЩЗтО»ЙПЈ¬НЪіэA1\C5ЗтО»"
U4300: library part SPI_FLASH_8PIN_T_0
U4700: library part 61082-08
U5100: library part IT6563FN
U5500: library part IT6161
U6700 U6800: library part Ethernet_H5007, "Gigabit Ethernet (1000Base-T)"
U6701 U6801: library part Ethernet_RTL8211F, "Integrated 10/100/1000 Gigabit Ethernet TransceiverЈ¬Supports IEEE 802.3az-2010,"
U7000: library part CODEC_ES8316_1, "Low Power Audio CODEC"
U8200 U8300: library part JMB575
U8201 U8301: library part SPI_FLASH_8PIN_T_0, "256M-bit Serial Flash;32M-byte;3.3V Uniform Sector;Dual and Quad Serial Flash;"
U8400: library part PI6C557-05BLE_0
U8401: library part LDO_PT5108, "High-PSRR 600mA LDO.Output3.3V."
U9100: library part Interface_FT232RL, "Single chip USB to asynchronous serial data transfer interface."
U9500: library part MAX3485_0
U9501: library part MAX3232/SIT3232E
Y1100: library part CRYSTAL_4P, "ОЮФґѕ§ХсЈ¬24MЈ¬3225,ЎА10ppmЈ¬8pFЈ¬Hosonic"
Y2200: library part CRYSTAL_2P, "ОЮФґѕ§ХсЈ¬32.768KHz,ЎА20ppmЈ¬12.5pF"
Y5100: library part CRYSTAL_4P, "ОЮФґѕ§ХсЈ¬27MЈ¬3225,ЎА10ppmЈ¬10pFЈ¬Hosonic"
Y6700 Y6800 Y8200 Y8300 Y8400: library part CRYSTAL_4P, "ОЮФґѕ§ХсЈ¬25MЈ¬3225,ЎА10ppmЈ¬10pFЈ¬Hosonic"